# Altium PCB Microcontroller_PCB.PcbDoc
Units mm, origin at the board's own origin, x right, y up, seen from the top; angles counter-clockwise.
Board outline 136.02 x 117.91 mm, 2 copper layers (Top Layer, Bottom Layer); 42 components, 118 nets, 301 pads, 4 vias.
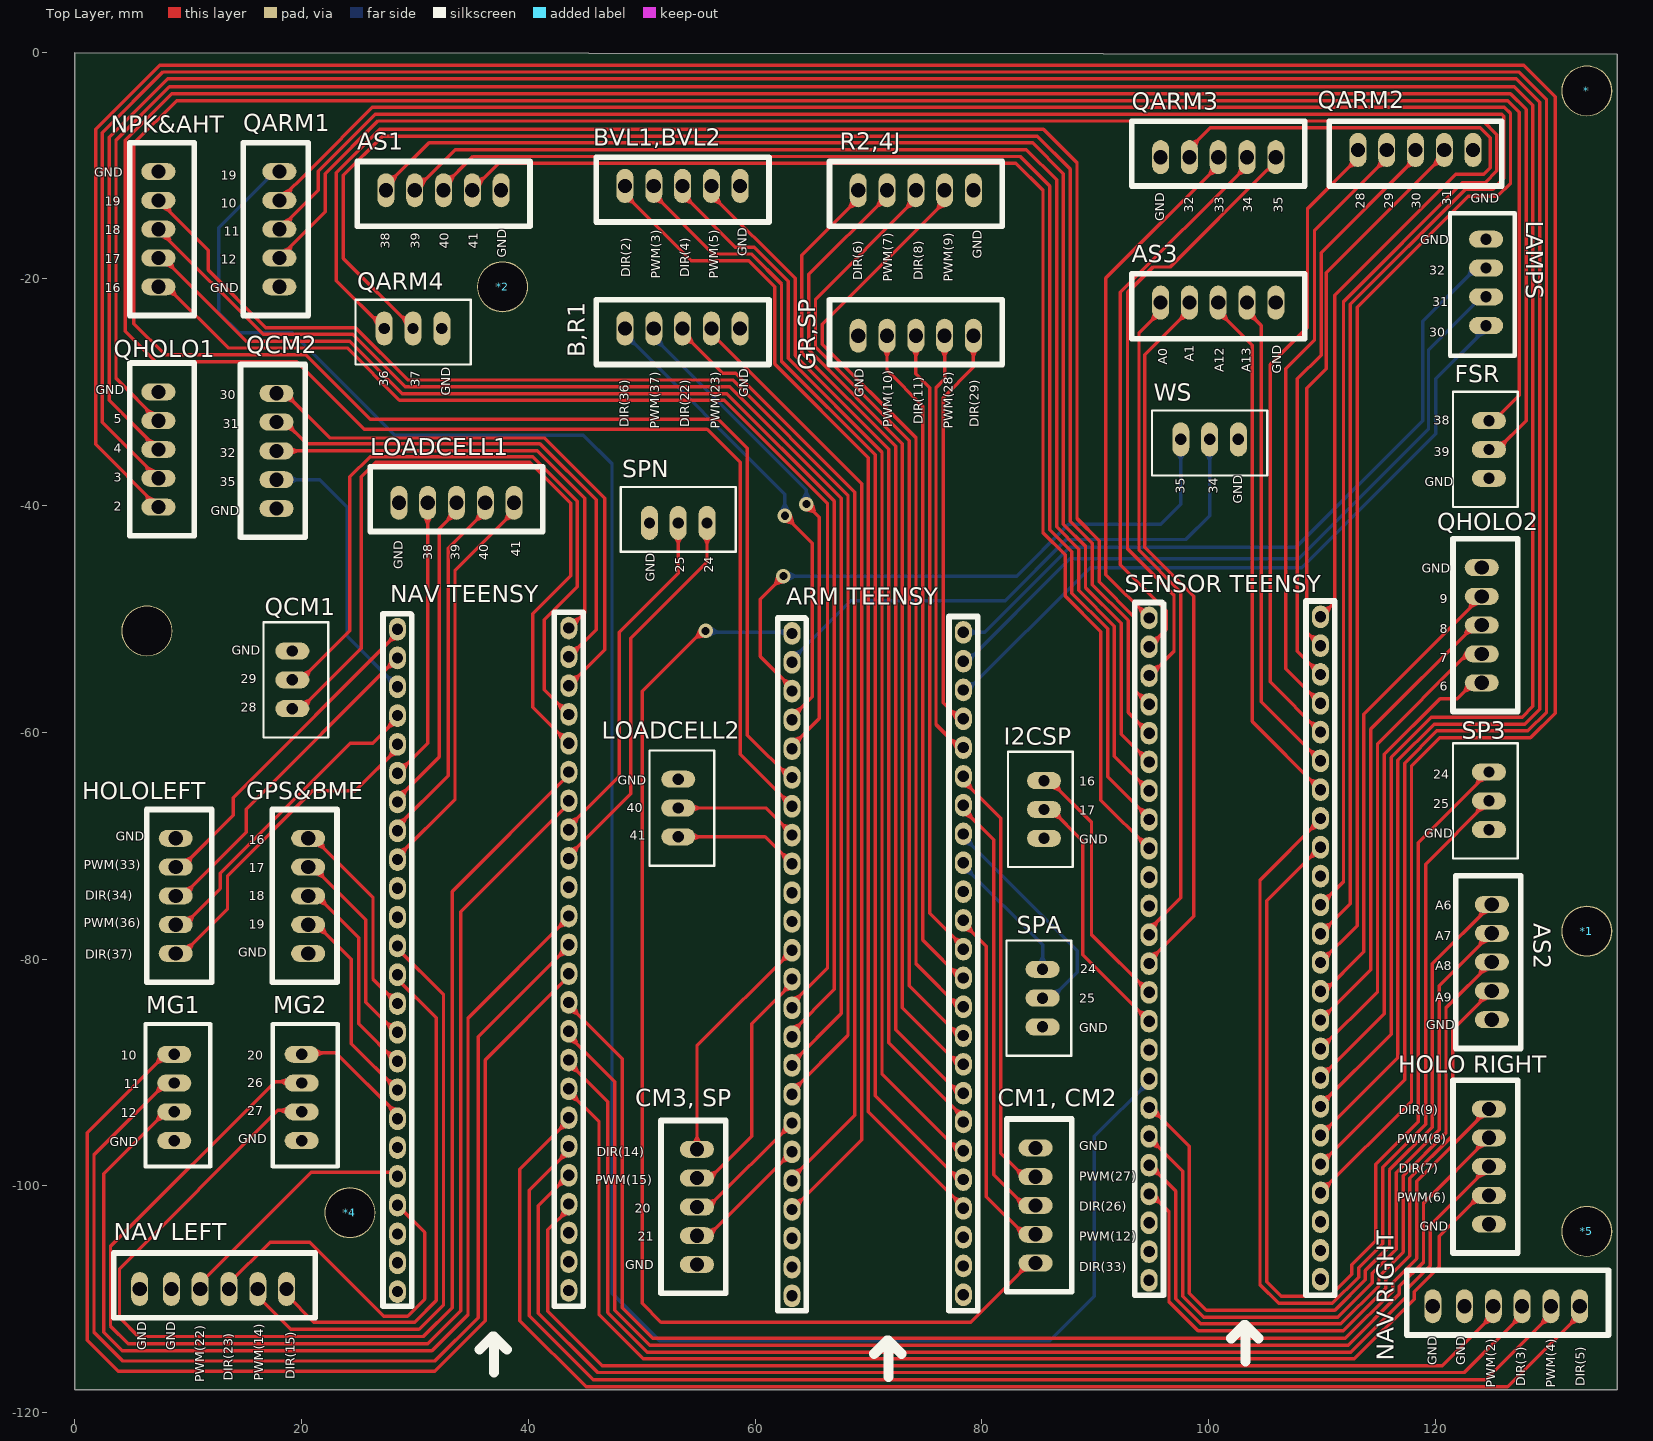
[diagram p0: Top Layer view]
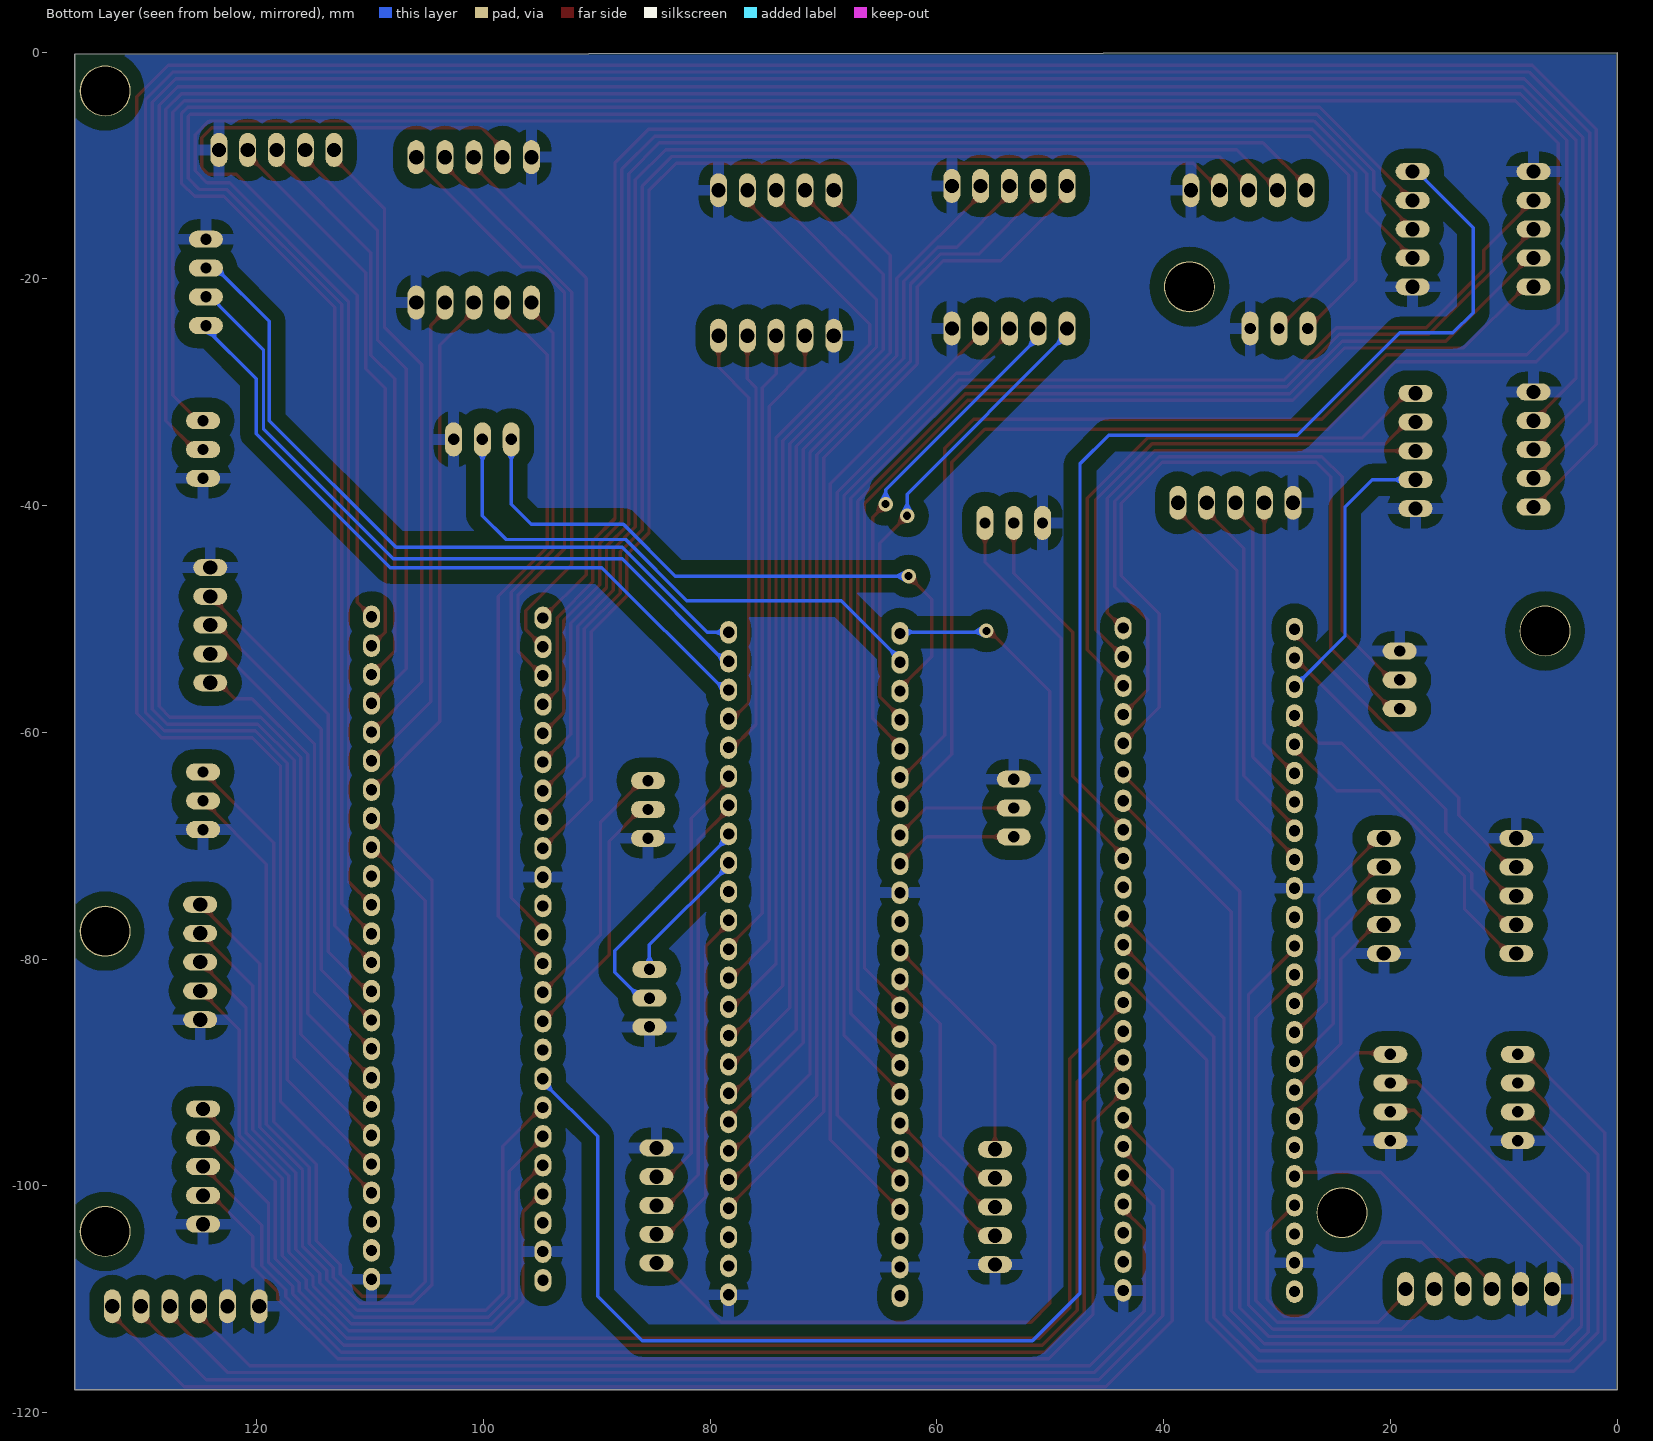
[diagram p1: Bottom Layer view, seen from below]

## Layer stack, top to bottom
Top Solder: solder mask 0.0102, Solder Resist, Dk 3.5
Top Layer: signal copper 0.0356
Dielectric 1: dielectric 0.32, FR-4, Dk 4.8
Bottom Layer: signal copper 0.0356
Bottom Solder: solder mask 0.0102, Solder Resist, Dk 3.5

## Board outline
0,-0.075 0,-117.983 136.017,-117.983 136.017,-0.183

## Design rules (kind name [scope] priority, off if disabled: settings)
Clearance [All vs InNet('GND')] p1: gap=1.25 ignorepadtopadclearanceinfootprint=FALSE
HoleSize [All] p1: absolutevalues=TRUE maxlimit=10 minlimit=0.025 maxpercent=80.000 minpercent=20.000
PolygonConnect [InNet('GND')] p1: connectstyle=Relief reliefconductorwidth=1 reliefentries=4 polygonreliefangle="90 Angle" airgapwidth=1
RoutingVias [All] p1: holewidth=0.711 width=1.27 viastyle="Through Hole" minholewidth=0.711 minwidth=1.27 maxholewidth=0.711 maxwidth=1.27
SolderMaskExpansion [All] p1: expansion=0.102 istentingtop=FALSE
Width [All] p1: maxlimit=3 minlimit=0.3 preferedwidth=0.3
29 further rules are at their usual default settings.

## Components (designator, comment, footprint, x,y, rotation, side; value= is the part's Value field where it differs from the comment)
* "HOLE" HOLE#1 133.477,-3.302 r0 top
*1 "HOLE" HOLE#1 133.477,-77.41 r0 top
*2 "HOLE" HOLE#1 37.846,-20.574 r0 top
*4 "HOLE" HOLE#2 24.429,-104.137 r0 top
*5 "HOLE" HOLE#3 133.35,-103.886 r0 top
"ARM TEENSY" "1x23H" TEENSY 76.2,-59.69 r270 top (schematic designator TA)
AS1 "JST5P" JST5P 33.401,-12.319 r0 top
AS2 "JST5P" JST5P 124.841,-81.153 r270 top
AS3 "JST5P" JST5P 101.727,-22.225 r0 top
B,R1 "JST5P" JST5P 54.483,-24.511 r0 top (schematic designator "B, R1")
BVL1,BVL2 "JST5P" JST5P 54.483,-11.938 r0 top (schematic designator "BVL1, BVL2")
"CM1, CM2" "JST5P(SP)" JST5P 84.859,-100.838 r90 top
"CM3, SP" "JST5P(SP)" JST5P 54.737,-102.743 r270 top
FSR "JST3P" JST3P 124.46,-34.925 r0 top
GPS&BME "JST5P" JST5P 20.447,-75.311 r270 top (schematic designator DS&BME)
GR,SP "JST5P" JST5P 73.279,-24.892 r180 top (schematic designator "GR, SP")
"HOLO RIGHT" "JST5P" JST5P 124.587,-99.187 r270 top (schematic designator "HOLO LEFT")
HOLOLEFT "JST5P" JST5P 9.017,-73.533 r90 top (schematic designator "HOLO RIGHT")
I2CSP "JST3P" JST3P 85.217,-66.675 r0 top
LAMPS "JST4P" JST4P 124.46,-20.447 r180 top
LOADCELL1 "JST5P" JST5P 32.766,-39.624 r180 top
LOADCELL2 "JST3P" JST3P 53.467,-66.802 r180 top
MG1 "JST4P" JST4P 8.763,-92.075 r0 top
MG2 "JST4P" JST4P 19.998,-92.075 r0 top
"NAV LEFT" "JST6P" JST6P 12.7,-108.966 r180 top
"NAV RIGHT" "JST6P" JST6P 126.746,-110.49 r180 top
"NAV TEENSY" "1x23H" TEENSY 41.402,-59.309 r270 top (schematic designator TN)
NPK&AHT "JST5P" JST5P 7.493,-14.732 r90 top (schematic designator DS&AHT)
QARM1 "JST5P" JST5P 17.907,-16.51 r270 top
QARM2 "JST5P" JST5P 119.126,-8.763 r0 top
QARM3 "JST5P" JST5P 99.949,-9.144 r180 top
QARM4 "JST3P" JST3P 29.695,-24.638 r90 top
QCM1 "JST3P" JST3P 19.431,-55.499 r180 top
QCM2 "JST5P" JST5P 17.653,-36.068 r270 top
QHOLO1 "JST5P" JST5P 7.493,-34.163 r90 top
QHOLO2 "JST5P" JST5P 124.206,-49.657 r90 top
R2,4J "JST5P" JST5P 75.057,-12.319 r0 top (schematic designator "R2, 4J")
"SENSOR TEENSY" "1x23H" TEENSY 107.692,-58.323 r270 top (schematic designator TA1)
SP3 "JST3P" JST3P 124.46,-65.913 r0 top
SPA "JST3P" JST3P 85.09,-83.312 r0 top
SPN "JST3P" JST3P 53.34,-41.275 r270 top
WS "JST3P" JST3P 99.949,-34.417 r90 top

## Footprints (in the part's own frame and the unit in brackets; to place one, negate y for a bottom-side part, rotate by r counter-clockwise, add the part's x,y. Pads: shape width x height; smd on the part's side, far side on the other; paste and mask are expansions set on the pad)
HOLE#1 [mm]
  round 4.5 hole 4.3 unplated: 1(-0.127,-0.127)
HOLE#2 [mm]
  round 4.5 hole 4.3 unplated: 1(-0.172,1.775)
HOLE#3 [mm]
  round 4.5 hole 4.3 unplated: 1(0,-0.127)
JST3P [mm]
  oval 3x1.5 hole 1: 1(0.254,2.413) 2(0.254,-0.127) 3(0.254,-2.667)
  silkscreen extent -2.92,-5.21 2.79,4.95, body extent -2.9,-5.15 2.8,4.93, height 7
JST4P [mm]
  oval 3x1.5 hole 1: 1(0,3.683) 2(0,1.143) 3(0,-1.397) 4(0,-3.937)
  silkscreen extent -2.54,-6.22 3.18,6.35, body extent -2.55,-6.46 3.15,6.16, height 7
JST5P [mm]
  oval 1.5x3 hole 1.25: 1(-5.969,0.127) 2(-3.429,0.127) 3(-0.889,0.127) 4(1.651,0.127) 5(4.191,0.127)
  silkscreen extent -8.51,-3.05 6.73,2.67, body extent -8.49,-3.02 6.67,2.68, height 7
JST6P [mm]
  oval 1.5x3 hole 1.25: 1(-5.969,0.127) 2(-3.429,0.127) 3(-0.889,0.127) 4(1.651,0.127) 5(4.191,0.127) 6(6.985,0.127)
  silkscreen extent -8.51,-3.05 9.27,2.67, body extent -8.49,-3.02 9.21,2.68, height 7
TEENSY [mm]
  oval 2x1.5 hole 1: 0(47.371,2.159) 1(44.831,2.159) 2(42.291,2.159) 3(39.751,2.159) 3.3V(14.351,2.159) 3.3V(44.928,-12.95) 4(37.211,2.159) 5(34.671,2.159) 6(32.131,2.159) 7(29.591,2.159) 8(27.051,2.159) 9(24.511,2.159) 10(21.971,2.159) 11(19.431,2.159) 12(16.891,2.159) 13(16.988,-12.95) 14(19.528,-12.95) 15(22.068,-12.95) 16(24.608,-12.95) 17(27.148,-12.95) 18(29.688,-12.95) 19(32.228,-12.95) 20(34.768,-12.95) 21(37.308,-12.95) 22(39.848,-12.95) 23(42.388,-12.95) 24(11.811,2.159) 25(9.271,2.159) 26(6.731,2.159) 27(4.191,2.159) 28(1.651,2.159) 29(-0.889,2.159) 30(-3.429,2.159) 31(-5.969,2.159) 32(-8.509,2.159) 33(-8.412,-12.95) 34(-5.872,-12.95) 35(-3.332,-12.95) 36(-0.792,-12.95) 37(1.748,-12.95) 38(4.288,-12.95) 39(6.828,-12.95) 40(9.368,-12.95) 41(11.908,-12.95) GND(14.448,-12.95) GND(47.468,-12.95) GND(49.911,2.159) Vin(50.008,-12.954)
  silkscreen extent -9.91,-14.22 57.15,3.43, body extent -10.16,-14.22 51.73,3.56, height 13.47

## Part data
"CM1, CM2" "CM3, SP": library part JST5P

## Free pads (board coordinates)
  round 4.5 hole 4.3: 1(6.35,-51.054)

## Via types
v1: diameter 1.27, hole 0.711, Top Layer to Bottom Layer, 4 vias

## Nets (pads, with @x,y where several pads share a name; then routed paths per layer and width w, separated by ;. In a path a pad name is that pad's centre, name@x,y a point inside that pad or via, vN(x,y) a via of type N, cw(c..) or ccw(c..) an arc to the next point about the centre after c; other vN are vias at no path point)
2: "SENSOR TEENSY.2" QHOLO1.1 | length 277.7
  Top Layer w0.3: QHOLO1.1 1.826,-34.592 1.826,-6.81 7.48,-1.156 127.775,-1.156 130.556,-3.937 130.556,-58.299 128.381,-60.474 120.374,-60.474 117.887,-62.961 117.887,-92.526 109.926,-100.487 109.851,-100.487
3: "SENSOR TEENSY.3" QHOLO1.2 | length 270
  Top Layer w0.3: QHOLO1.2 2.426,-32.652 2.426,-7.099 7.769,-1.756 127.359,-1.756 129.794,-4.191 129.794,-58.212 128.132,-59.874 120.125,-59.874 117.287,-62.712 117.287,-90.639 109.851,-98.074
4: "SENSOR TEENSY.4" QHOLO1.3 | length 262.3
  Top Layer w0.3: QHOLO1.3 3.026,-30.712 3.026,-7.515 8.185,-2.356 127.11,-2.356 129.194,-4.44 129.194,-57.964 127.884,-59.274 119.877,-59.274 116.687,-62.464 116.687,-88.699 109.851,-95.534
5: "SENSOR TEENSY.5" QHOLO1.4 | length 254.5
  Top Layer w0.3: QHOLO1.4 3.626,-28.772 3.626,-7.764 8.342,-3.048 126.954,-3.048 128.594,-4.688 128.594,-57.715 127.635,-58.674 119.628,-58.674 116.087,-62.215 116.087,-86.632 109.851,-92.867
6: "SENSOR TEENSY.6" QHOLO2.1 | length 42.1
  Top Layer w0.3: 109.851,-90.454 115.487,-84.819 115.487,-61.932 120.396,-57.023 121.932,-57.023 123.329,-55.626 QHOLO2.1
7: "SENSOR TEENSY.7" QHOLO2.2 | length 41.5
  Top Layer w0.3: 109.851,-87.914 114.887,-82.879 114.887,-61.008 122.809,-53.086 QHOLO2.2
8: "SENSOR TEENSY.8" QHOLO2.3 | length 41.1
  Top Layer w0.3: 109.851,-85.374 114.287,-80.939 114.287,-59.703 123.444,-50.546 QHOLO2.3
9: "SENSOR TEENSY.9" QHOLO2.4 | length 41.1
  Top Layer w0.3: 109.851,-83.215 110.042,-83.025 110.042,-82.989 113.687,-79.344 113.687,-58.398 QHOLO2.4
10: "SENSOR TEENSY.10" QARM1.2 | length 195.5
  Top Layer w0.3: QARM1.2 20.828,-10.287 26.232,-4.883 126.081,-4.883 126.619,-5.421 126.619,-11.557 125.454,-12.722 122.874,-12.722 113.087,-22.509 113.087,-77.058 109.851,-80.294
11: "SENSOR TEENSY.11" QARM1.3 | length 193.4
  Top Layer w0.3: QARM1.3 21.463,-12.192 21.463,-10.501 26.481,-5.483 125.832,-5.483 126.019,-5.67 126.019,-11.133 125.03,-12.122 122.625,-12.122 112.487,-22.26 112.487,-75.118 109.851,-77.754
12: "SENSOR TEENSY.12" QARM1.4 | length 190.4
  Top Layer w0.3: QARM1.4 22.098,-14.097 22.098,-10.714 26.729,-6.083 124.193,-6.083 125.419,-7.309 125.419,-10.471 124.368,-11.522 122.376,-11.522 111.887,-22.011 111.887,-73.178 109.851,-75.214
"16, A2": "SENSOR TEENSY.16" I2CSP.1 | length 22.8
  Top Layer w0.3: I2CSP.1 85.979,-64.262 89.662,-67.945 89.662,-77.851 94.742,-82.931
"17, A3": "SENSOR TEENSY.17" I2CSP.2 | length 22.9
  Top Layer w0.3: I2CSP.2 86.106,-66.802 88.9,-69.596 88.9,-79.629 94.742,-85.471
19: "SENSOR TEENSY.19" QARM1.1 | length 195.3
  Bottom Layer w0.3: QARM1.1 17.609,-10.541 16.925,-11.225 16.925,-11.279 12.7,-15.503 12.7,-22.987 14.478,-24.765 19.177,-24.765 28.194,-33.782 44.831,-33.782 47.371,-36.322 47.371,-109.474 51.562,-113.665 85.979,-113.665 89.916,-109.728 89.916,-95.627 94.742,-90.801 94.742,-90.551
28: "SENSOR TEENSY.28" QARM2.1 | length 56.4
  Top Layer w0.3: 109.851,-59.974 105.41,-55.533 105.41,-27.559 108.712,-24.257 108.712,-13.831 113.157,-9.386 QARM2.1
29: "SENSOR TEENSY.29" QARM2.2 | length 53.7
  Top Layer w0.3: 109.851,-57.434 106.807,-54.39 106.807,-27.94 109.325,-25.422 109.325,-15.758 115.697,-9.386 QARM2.2
30: "SENSOR TEENSY.30" QARM2.3 | length 51.4
  Top Layer w0.3: 109.851,-54.894 107.823,-52.866 107.823,-28.829 109.925,-26.727 109.925,-17.698 118.237,-9.386 QARM2.3
31: "SENSOR TEENSY.31" QARM2.4 | length 49.2
  Top Layer w0.3: 109.851,-52.354 108.651,-51.154 108.651,-29.652 110.363,-27.94 110.363,-19.471 119.858,-9.976 119.862,-9.976 120.777,-9.061 QARM2.4
32: "SENSOR TEENSY.32" QARM3.4 | length 78.3
  Top Layer w0.3: QARM3.4 98.298,-8.521 100.136,-6.683 123.944,-6.683 124.819,-7.558 124.819,-10.222 124.246,-10.795 121.793,-10.795 111.125,-21.463 111.125,-48.54 109.851,-49.814
33: "SENSOR TEENSY.33" QARM3.3 | length 46.3
  Top Layer w0.3: 94.742,-49.911 90.932,-46.101 90.932,-19.927 100.838,-10.021 QARM3.3
34: "SENSOR TEENSY.34" QARM3.2 | length 50.1
  Top Layer w0.3: 94.742,-52.451 96.266,-50.927 96.266,-49.276 92.202,-45.212 92.202,-21.197 103.378,-10.021 QARM3.2
35: "SENSOR TEENSY.35" QARM3.1 | length 54.7
  Top Layer w0.3: 94.742,-54.991 94.779,-54.991 96.936,-52.834 96.936,-47.914 92.837,-43.815 92.837,-21.209 95.086,-18.96 96.599,-18.96 105.179,-10.379 105.235,-10.379 105.918,-9.696 QARM3.1
36: "SENSOR TEENSY.36" QARM4.1 | length 134
  Top Layer w0.3: QARM4.1 23.068,-20.17 23.068,-10.627 26.881,-6.814 85.427,-6.814 88.383,-9.77 88.383,-41.14 90.332,-43.089 90.332,-46.731 93.484,-49.883 93.484,-56.273 94.742,-57.531
37: "SENSOR TEENSY.37" QARM4.2 | length 135.5
  Top Layer w0.3: QARM4.2@29.834,-24.372 23.668,-18.207 23.668,-10.876 27.13,-7.414 84.884,-7.414 87.783,-10.313 87.783,-41.388 89.732,-43.337 89.732,-46.979 92.884,-50.131 92.884,-58.251 94.705,-60.071 94.742,-60.071
A0: "SENSOR TEENSY.14" AS3.1 | length 59.1
  Top Layer w0.3: 94.742,-77.724 94.742,-77.389 97.536,-74.595 97.536,-47.625 93.853,-43.942 93.853,-24.753 95.758,-22.848 AS3.1
A1: "SENSOR TEENSY.15" AS3.2 | length 63.3
  Top Layer w0.3: 94.742,-80.391 94.742,-80.141 98.679,-76.204 98.679,-48.006 94.361,-43.688 94.361,-26.709 98.298,-22.772 AS3.2
A6: "SENSOR TEENSY.20" AS2.1 | length 73
  Top Layer w0.3: 94.742,-92.964 98.298,-96.52 98.298,-109.474 99.8,-110.976 111.135,-110.976 113.82,-108.291 113.82,-107.46 115.942,-105.338 115.942,-98.596 119.726,-94.812 119.726,-80.426 AS2.1
A6(20): 
A7: "SENSOR TEENSY.21" AS2.2 | length 69.2
  Top Layer w0.3: 94.742,-95.631 94.742,-95.758 97.698,-98.714 97.698,-109.723 99.551,-111.576 111.383,-111.576 114.42,-108.539 114.42,-107.709 116.542,-105.587 116.542,-98.844 120.326,-95.06 120.326,-82.366 AS2.2
A7(21): 
A8: "SENSOR TEENSY.22" AS2.3 | length 65.7
  Top Layer w0.3: 94.742,-98.171 94.817,-98.171 97.098,-100.452 97.098,-109.971 99.303,-112.176 111.632,-112.176 115.02,-108.788 115.02,-107.957 117.142,-105.835 117.142,-99.093 120.926,-95.309 120.926,-84.306 AS2.3
A9: "SENSOR TEENSY.23" AS2.4 | length 62.2
  Top Layer w0.3: 94.742,-100.584 94.817,-100.584 96.498,-102.265 96.498,-110.22 99.054,-112.776 111.88,-112.776 115.62,-109.036 115.62,-108.281 117.742,-106.159 117.742,-99.341 121.526,-95.557 121.526,-86.246 AS2.4
A10,24: "SENSOR TEENSY.24" SP3.1 | length 98.4
  Top Layer w0.3: 109.851,-70.134 105.121,-74.864 105.121,-108.463 106.386,-109.728 110.686,-109.728 112.62,-107.794 112.62,-106.963 114.742,-104.841 114.742,-98.099 118.491,-94.35 118.491,-69.723 SP3.1
A11,25: "SENSOR TEENSY.25" SP3.2 | length 100.6
  Top Layer w0.3: 109.851,-67.467 109.851,-67.717 104.521,-73.047 104.521,-108.712 106.172,-110.363 110.899,-110.363 113.22,-108.042 113.22,-107.212 115.342,-105.09 115.342,-98.347 119.126,-94.563 119.126,-71.628 SP3.2
A12: "SENSOR TEENSY.26" AS3.3 | length 46.8
  Top Layer w0.3: AS3.3 100.838,-23.114 101.104,-23.114 103.84,-25.85 103.84,-59.043 109.851,-65.054
A13: "SENSOR TEENSY.27" AS3.4 | length 43.2
  Top Layer w0.3: AS3.4 103.378,-22.987 103.517,-22.987 104.648,-24.118 104.648,-57.311 109.851,-62.514
A14: "SENSOR TEENSY.38" AS1.1 | length 117.8
  Top Layer w0.3: AS1.1 27.432,-11.811 31.229,-8.014 84.468,-8.014 87.183,-10.729 87.183,-41.637 89.132,-43.586 89.132,-47.228 92.284,-50.38 92.284,-60.153 94.742,-62.611
A15: "SENSOR TEENSY.39" AS1.2 | length 116.5
  Top Layer w0.3: AS1.2 33.55,-8.614 83.925,-8.614 86.583,-11.272 86.583,-41.885 88.532,-43.834 88.532,-47.476 91.684,-50.628 91.684,-62.093 94.742,-65.151
A16: "SENSOR TEENSY.40" AS1.3 | length 115.4
  Top Layer w0.3: AS1.3 32.512,-11.811 35.109,-9.214 83.382,-9.214 85.983,-11.815 85.983,-42.134 87.932,-44.083 87.932,-47.725 91.084,-50.877 91.084,-63.906 94.742,-67.564
A17: "SENSOR TEENSY.41" AS1.4 | length 114.2
  Top Layer w0.3: AS1.4 35.052,-12.144 37.382,-9.814 82.992,-9.814 85.383,-12.205 85.383,-42.382 87.332,-44.331 87.332,-47.973 90.484,-51.125 90.484,-65.973 94.742,-70.231
AA6: "ARM TEENSY.20" "CM3, SP.3" | length 11.4
  Top Layer w0.3: 54.864,-101.854 55.854,-101.854 63.25,-94.458
AA7: "ARM TEENSY.21" "CM3, SP.4" | length 11.5
  Top Layer w0.3: 54.864,-104.394 55.859,-104.394 63.25,-97.003 63.25,-96.998
AA38: "ARM TEENSY.38" FSR.1 | length 258.1
  Top Layer w0.3: 63.25,-64.181 59.309,-60.24 59.309,-34.955 56.739,-32.385 26.034,-32.385 20.347,-26.698 7.953,-26.698 5.207,-23.952 5.207,-8.055 8.979,-4.283 126.365,-4.283 127.381,-5.299 127.381,-30.27 125.85,-31.801 125.139,-32.512 FSR.1
AA39: "ARM TEENSY.39" FSR.2 | length 265.7
  Top Layer w0.3: 63.25,-66.518 58.674,-61.942 58.674,-36.195 55.753,-33.274 25.527,-33.274 19.558,-27.305 7.112,-27.305 4.445,-24.638 4.445,-7.793 8.555,-3.683 126.613,-3.683 127.994,-5.064 127.994,-32.522 125.464,-35.052 FSR.2
AA40: "ARM TEENSY.40" LOADCELL2.2 | length 11
  Top Layer w0.3: LOADCELL2.2 60.96,-66.675 63.216,-68.931 63.25,-68.931
AA41: "ARM TEENSY.41" LOADCELL2.1 | length 11
  Top Layer w0.3: LOADCELL2.1 60.867,-69.215 63.25,-71.598
AN38: "NAV TEENSY.38" LOADCELL1.4 | length 25
  Top Layer w0.3: 28.452,-63.597 28.478,-63.597 31.115,-60.96 LOADCELL1.4
AN39: "NAV TEENSY.39" LOADCELL1.3 | length 28.5
  Top Layer w0.3: 28.452,-66.137 28.452,-65.852 32.131,-62.173 32.131,-42.025 33.655,-40.501 LOADCELL1.3
AN40: "NAV TEENSY.40" LOADCELL1.2 | length 32.1
  Top Layer w0.3: 28.452,-68.677 28.452,-68.3 32.928,-63.824 32.928,-43.768 36.195,-40.501 LOADCELL1.2
AN41: "NAV TEENSY.41" LOADCELL1.1 | length 35.7
  Top Layer w0.3: 28.452,-71.217 28.452,-70.967 33.528,-65.891 33.528,-45.708 38.735,-40.501 LOADCELL1.1
DA(2): "ARM TEENSY.2" BVL1,BVL2.1 | length 105.5
  Top Layer w0.3: 48.514,-11.811 48.514,-12.561 54.368,-18.415 59.43,-18.415 61.722,-20.707 61.722,-27.513 69.981,-35.772 69.981,-93.472 78.359,-101.85 78.359,-101.981
DA(4): "ARM TEENSY.4" BVL1,BVL2.3 | length 96.7
  Top Layer w0.3: 53.594,-11.811 53.594,-12.561 58.248,-17.215 59.927,-17.215 62.922,-20.21 62.922,-27.016 71.181,-35.275 71.181,-90.104 78.359,-97.282
DA(6): "ARM TEENSY.6" R2,4J.1 | length 88
  Top Layer w0.3: 69.088,-12.192 69.088,-12.954 64.122,-17.92 64.122,-26.519 72.381,-34.778 72.381,-86.224 78.359,-92.202
DA(8): "ARM TEENSY.8" R2,4J.3 | length 84
  Top Layer w0.3: 74.168,-12.192 74.168,-12.954 65.322,-21.8 65.322,-26.022 73.581,-34.281 73.581,-82.344 78.359,-87.122
DA(11): "ARM TEENSY.11" GR,SP.3 | length 56
  Top Layer w0.3: 74.168,-25.019 74.168,-25.417 74.168,-28.378 75.381,-29.591 75.381,-75.946 78.359,-78.924 78.359,-79.121 ; 78.359,-79.375 78.359,-79.226
DA(22): "ARM TEENSY.22" B,R1.3 | length 84.3
  Top Layer w0.3: 53.404,-24.575 57.15,-28.321 58.293,-28.321 68.781,-38.809 68.781,-93.756 63.25,-99.288 63.25,-99.538
DA(29): "ARM TEENSY.29" GR,SP.1 | length 36
  Top Layer w0.3: 78.359,-59.182 76.581,-57.404 76.581,-30.48 79.248,-27.813 79.248,-25.019
DA(36): "ARM TEENSY.36" B,R1.1 | length 41.8
  Top Layer w0.3: v1(62.611,-40.894) 65.024,-43.307 65.024,-56.868 63.163,-58.729
  Bottom Layer w0.3: 48.26,-24.638 62.611,-38.989 v1(62.611,-40.894)
DCM(14): "ARM TEENSY.14" "CM3, SP.1" | length 21
  Top Layer w0.3: 54.864,-96.774 54.864,-87.63 63.25,-79.244 63.25,-79.218
DCM(26): "ARM TEENSY.26" "CM1, CM2.3" | length 37.1
  Top Layer w0.3: 78.359,-66.802 81.026,-69.469 81.026,-99.037 83.716,-101.727
DCM(27): "ARM TEENSY.27" "CM1, CM2.4" | length 37.1
  Top Layer w0.3: 78.359,-64.262 81.661,-67.564 81.661,-97.132 83.716,-99.187
DH(7): "HOLO RIGHT.3" "NAV TEENSY.7" | length 112.1
  Top Layer w0.3: 43.561,-88.9 43.561,-89.15 46.99,-92.579 46.99,-111.171 50.478,-114.659 112.543,-114.659 117.42,-109.782 117.42,-109.148 119.542,-107.026 119.542,-103.47 124.714,-98.298
DH(9): "HOLO RIGHT.1" "NAV TEENSY.9" | length 119.3
  Top Layer w0.3: 43.561,-83.82 43.561,-84.07 48.26,-88.769 48.26,-110.744 50.962,-113.446 112.059,-113.446 116.22,-109.285 116.22,-108.53 118.342,-106.408 118.342,-99.59 124.714,-93.218
DH(34): "NAV TEENSY.34" HOLOLEFT.3 | length 29.4
  Top Layer w0.3: HOLOLEFT.3@8.89,-74.295 9.64,-74.295 15.113,-68.822 15.113,-66.776 28.452,-53.437
DH(37): "NAV TEENSY.37" HOLOLEFT.1 | length 28.7
  Top Layer w0.3: HOLOLEFT.1@8.89,-79.375 9.64,-79.375 13.462,-75.553 13.462,-72.644 20.955,-65.151 24.739,-65.151 28.452,-61.438
DN(3): "NAV RIGHT.3" "NAV TEENSY.3" | length 105.1
  Top Layer w0.3: 43.561,-99.06 40.866,-101.755 40.866,-111.224 46.101,-116.459 122.543,-116.459 127.635,-111.367 127.635,-110.617
DN(5): "NAV RIGHT.1" "NAV TEENSY.5" | length 119
  Top Layer w0.3: 43.561,-93.98 43.561,-94.23 39.243,-98.548 39.243,-111.887 45.085,-117.729 126.353,-117.729 132.715,-111.367 132.715,-110.617
DN(15): "NAV LEFT.1" "NAV TEENSY.15" | length 45.3
  Top Layer w0.3: 18.669,-109.093 18.669,-109.601 21.082,-112.014 29.972,-112.014 31.877,-110.109 31.877,-85.183 28.452,-81.758
DN(23): "NAV LEFT.3" "NAV TEENSY.23" | length 31.9
  Top Layer w0.3: 13.589,-109.093 13.589,-108.594 17.211,-104.972 20.708,-104.972 27.241,-111.506 29.337,-111.506 30.864,-109.979 30.864,-104.109 28.452,-101.697
GND: "ARM TEENSY.GND" "CM1, CM2.5" "CM3, SP.5" "HOLO RIGHT.5" "NAV LEFT.5" "NAV LEFT.6" "NAV RIGHT.5" "NAV RIGHT.6" "NAV TEENSY.GND" "SENSOR TEENSY.GND" AS1.5 AS2.5 AS3.5 B,R1.5 BVL1,BVL2.5 FSR.3 GPS&BME.5 GR,SP.5 HOLOLEFT.5 I2CSP.3 LAMPS.4 LOADCELL1.5 LOADCELL2.3 MG1.4 MG2.4 NPK&AHT.5 QARM1.5 QARM2.5 QARM3.5 QARM4.3 QCM1.3 QCM2.5 QHOLO1.5 QHOLO2.5 R2,4J.5 SP3.3 SPA.3 SPN.3 WS.3
L1: "ARM TEENSY.30" LAMPS.1 | length 62.5
  Bottom Layer w0.3: 78.359,-56.642 89.535,-45.466 108.204,-45.466 120.015,-33.655 120.015,-28.829 124.46,-24.384 LAMPS.1
L2: "ARM TEENSY.31" LAMPS.2 | length 63.7
  Bottom Layer w0.3: 78.359,-54.102 87.757,-44.704 107.95,-44.704 119.38,-33.274 119.38,-26.289 123.346,-22.323 123.346,-22.279 124.035,-21.59 LAMPS.2
L3: "ARM TEENSY.32" LAMPS.3 | length 64.5
  Bottom Layer w0.3: 78.359,-51.181 80.264,-51.181 87.757,-43.688 107.696,-43.688 118.872,-32.512 118.872,-23.749 123.571,-19.05 LAMPS.3
PA(3): "ARM TEENSY.3" BVL1,BVL2.2 | length 101.3
  Top Layer w0.3: 51.054,-11.811 51.054,-12.561 56.308,-17.815 59.679,-17.815 62.322,-20.458 62.322,-27.264 70.581,-35.523 70.581,-92.044 78.359,-99.822
PA(5): "ARM TEENSY.5" BVL1,BVL2.4 | length 91.8
  Top Layer w0.3: 56.134,-11.811 56.134,-12.573 63.522,-19.961 63.522,-26.767 71.781,-35.026 71.781,-87.376 78.359,-93.954 78.359,-94.361
PA(7): "ARM TEENSY.7" R2,4J.2 | length 86
  Top Layer w0.3: 71.628,-12.192 71.628,-12.7 64.722,-19.606 64.722,-26.27 72.981,-34.529 72.981,-84.284 78.359,-89.662
PA(9): "ARM TEENSY.9" R2,4J.4 | length 82
  Top Layer w0.3: 76.708,-12.192 76.708,-13.208 65.922,-23.994 65.922,-25.773 74.181,-34.032 74.181,-80.404 78.359,-84.582
PA(10): "ARM TEENSY.10" GR,SP.4 | length 59.7
  Top Layer w0.3: 71.628,-25.019 71.628,-28.067 74.781,-31.22 74.781,-78.315 78.359,-81.893
PA(23): "ARM TEENSY.23" B,R1.4 | length 85.7
  Top Layer w0.3: 56.134,-24.384 56.134,-24.809 56.845,-25.52 69.381,-38.056 69.381,-95.947 63.25,-102.078
PA(28): "ARM TEENSY.28" GR,SP.2 | length 38
  Top Layer w0.3: 76.708,-25.019 76.708,-28.829 75.946,-29.591 75.946,-59.309 78.359,-61.722
PA(37): "ARM TEENSY.37" B,R1.2 | length 44.1
  Top Layer w0.3: 63.25,-61.438 63.25,-61.188 65.659,-58.779 65.659,-41.021 v1(64.516,-39.878)
  Bottom Layer w0.3: 51.054,-24.384 51.054,-25.146 64.516,-38.608 v1(64.516,-39.878)
PCM(12): "ARM TEENSY.12" "CM1, CM2.2" | length 29.9
  Top Layer w0.3: 78.359,-76.581 78.359,-76.831 80.391,-78.863 80.391,-100.942 83.716,-104.267
PCM(15): "ARM TEENSY.15" "CM3, SP.2" | length 21.7
  Top Layer w0.3: 54.864,-99.314 56.007,-99.314 59.69,-95.631 59.69,-85.699 63.25,-82.139 63.25,-81.758
PCM(33): "ARM TEENSY.33" "CM1, CM2.1" | length 107.8
  Top Layer w0.3: v1(55.626,-51.054) 55.499,-51.181 55.245,-51.181 50.038,-56.388 50.038,-110.363 51.689,-112.014 78.994,-112.014 84.201,-106.807 84.732,-106.807
  Bottom Layer w0.3: v1(55.626,-51.054) 55.738,-51.166 63.138,-51.166 63.25,-51.278 ; 83.982,-106.807 84.732,-106.807
PH(6): "HOLO RIGHT.4" "NAV TEENSY.6" | length 109
  Top Layer w0.3: 43.561,-91.44 43.561,-91.69 46.228,-94.357 46.228,-111.379 50.108,-115.259 112.833,-115.259 118.11,-109.982 118.11,-109.347 120.332,-107.125 120.332,-104.458 123.952,-100.838 124.714,-100.838
PH(8): "HOLO RIGHT.2" "NAV TEENSY.8" | length 115.7
  Top Layer w0.3: 43.561,-86.36 43.561,-86.741 47.625,-90.805 47.625,-110.958 50.713,-114.046 112.307,-114.046 116.82,-109.533 116.82,-108.859 118.942,-106.737 118.942,-101.53 124.714,-95.758
PH(33): "NAV TEENSY.33" HOLOLEFT.4 | length 29
  Top Layer w0.3: HOLOLEFT.4 9.403,-71.882 13.97,-67.315 13.97,-65.76 28.452,-51.278
PH(36): "NAV TEENSY.36" HOLOLEFT.2 | length 28.1
  Top Layer w0.3: HOLOLEFT.2@8.89,-76.835 9.767,-76.835 12.827,-73.775 12.827,-72.43 24.297,-60.96 26.259,-60.96 28.452,-58.767 28.452,-58.517
PMG(10): "NAV TEENSY.10" MG1.1 | length 100.6
  Top Layer w0.3: MG1.1 8.013,-88.392 1.086,-95.319 1.086,-113.608 3.81,-116.332 31.75,-116.332 36.195,-111.887 36.195,-88.896 43.561,-81.53 43.561,-81.28
PMG(11): "NAV TEENSY.11" MG1.2 | length 98
  Top Layer w0.3: MG1.2 8.013,-90.932 1.686,-97.259 1.686,-112.898 4.231,-115.443 31.75,-115.443 35.56,-111.633 35.56,-86.864 43.561,-78.863 43.561,-78.74
PMG(12): "NAV TEENSY.12" MG1.3 | length 95.4
  Top Layer w0.3: MG1.3 8.013,-93.472 2.54,-98.945 2.54,-112.903 4.191,-114.554 31.496,-114.554 34.671,-111.379 34.671,-85.213 43.561,-76.323 43.561,-76.2
PMG(20): "NAV TEENSY.20" MG2.1 | length 11
  Top Layer w0.3: MG2.1 20.125,-88.265 23.017,-88.265 28.452,-93.7 28.452,-93.95
PMG(26): "NAV TEENSY.26" MG2.2 | length 110.1
  Top Layer w0.3: MG2.2@18.542,-90.805 17.653,-90.805 3.14,-105.318 3.14,-112.36 4.699,-113.919 31.115,-113.919 34.036,-110.998 34.036,-75.815 43.561,-66.29 43.561,-66.04
PMG(27): "NAV TEENSY.27" MG2.3 | length 107.3
  Top Layer w0.3: MG2.3@18.542,-93.345 17.907,-93.345 3.937,-107.315 3.937,-111.633 5.588,-113.284 30.734,-113.284 33.274,-110.744 33.274,-74.037 43.561,-63.75 43.561,-63.5
PN(2): "NAV RIGHT.4" "NAV TEENSY.2" | length 98.3
  Top Layer w0.3: 43.561,-101.473 43.561,-101.6 43.561,-102.043 41.718,-103.886 41.718,-111.06 46.517,-115.859 120.603,-115.859 125.095,-111.367 125.095,-110.617
PN(4): "NAV RIGHT.2" "NAV TEENSY.4" | length 111.6
  Top Layer w0.3: 43.561,-96.901 40.067,-100.395 40.067,-111.441 45.72,-117.094 124.448,-117.094 130.175,-111.367 130.175,-110.617
PN(14): "NAV LEFT.2" "NAV TEENSY.14" | length 52.5
  Top Layer w0.3: 16.129,-109.093 16.129,-109.728 19.05,-112.649 30.353,-112.649 32.512,-110.49 32.512,-83.151 28.452,-79.091 28.452,-78.837
PN(22): "NAV LEFT.4" "NAV TEENSY.22" | length 22.9
  Top Layer w0.3: 11.049,-110.236 11.049,-109.486 ; 11.049,-109.093 11.049,-108.585 20.828,-98.806 28.101,-98.806 28.452,-99.157
QCM(28): "NAV TEENSY.28" QCM1.1 | length 67.7
  Top Layer w0.3: QCM1.1 19.927,-57.912 25.273,-52.566 25.273,-37.465 26.543,-36.195 40.132,-36.195 43.723,-39.786 43.723,-46.193 40.386,-49.53 40.386,-57.785 43.561,-60.96
QCM(29): "NAV TEENSY.29" QCM1.2 | length 63.8
  Top Layer w0.3: QCM1.2 19.927,-55.372 24.257,-51.042 24.257,-37.465 26.035,-35.687 40.386,-35.687 44.323,-39.624 44.323,-47.147 41.402,-50.068 41.402,-56.261 43.561,-58.42
QCM(30): "NAV TEENSY.30" QCM2.1 | length 50.6
  Top Layer w0.3: QCM2.1 18.53,-30.099 22.467,-34.036 41.402,-34.036 46.736,-39.37 46.736,-52.705 43.561,-55.88
QCM(31): "NAV TEENSY.31" QCM2.2 | length 45.9
  Top Layer w0.3: QCM2.2 18.53,-32.639 20.435,-34.544 41.021,-34.544 45.974,-39.497 45.974,-50.946 43.58,-53.34 43.561,-53.34
QCM(32): "NAV TEENSY.32" QCM2.3 | length 40.9
  Top Layer w0.3: QCM2.3 40.767,-35.179 44.958,-39.37 44.958,-49.44 43.598,-50.8 43.561,-50.8
QCM(35): "NAV TEENSY.35" QCM2.4 | length 24.9
  Bottom Layer w0.3: QCM2.4 18.53,-37.719 21.59,-37.719 24.003,-40.132 24.003,-43.192 24.003,-51.528 28.452,-55.977
SCL_AHT(19): "ARM TEENSY.19" NPK&AHT.4 | length 127.5
  Top Layer w0.3: NPK&AHT.4 11.77,-17.485 11.77,-19.222 16.846,-24.298 24.749,-24.298 29.372,-28.921 58.004,-28.921 68.181,-39.098 68.181,-86.736 63.25,-91.668 63.25,-91.918
SCL_BME(19): "NAV TEENSY.19" GPS&BME.4 | length 18.3
  Top Layer w0.3: GPS&BME.4 21.324,-76.962 24.384,-80.022 24.384,-87.469 28.452,-91.537
SCL_DS1(16): "ARM TEENSY.16" NPK&AHT.1 | length 112.7
  Top Layer w0.3: NPK&AHT.1 8.116,-20.701 13.513,-26.098 24.004,-26.098 28.626,-30.721 57.258,-30.721 66.381,-39.844 66.381,-80.772 63.25,-83.903 63.25,-84.298
SCL_DS2(16): "NAV TEENSY.16" GPS&BME.1 | length 18.1
  Top Layer w0.3: GPS&BME.1 21.074,-69.342 26.289,-74.557 26.289,-81.754 28.452,-83.917
SDA_AHT(18): "ARM TEENSY.18" NPK&AHT.3 | length 121.9
  Top Layer w0.3: NPK&AHT.3 7.366,-15.667 16.597,-24.898 24.501,-24.898 29.123,-29.521 57.755,-29.521 67.581,-39.347 67.581,-84.796 63.25,-89.128 63.25,-89.378
SDA_BME(18): "NAV TEENSY.18" GPS&BME.3 | length 18.4
  Top Layer w0.3: GPS&BME.3 21.324,-74.422 25.019,-78.117 25.019,-85.695 28.452,-89.128
SDA_DS1(17): "ARM TEENSY.17" NPK&AHT.2 | length 117.3
  Top Layer w0.3: NPK&AHT.2 7.757,-18.161 15.095,-25.498 24.252,-25.498 28.875,-30.121 57.507,-30.121 66.981,-39.595 66.981,-82.677 63.25,-86.408 63.25,-86.838
SDA_DS2(17): "NAV TEENSY.17" GPS&BME.2 | length 18.2
  Top Layer w0.3: GPS&BME.2 21.012,-71.882 25.654,-76.524 25.654,-83.79 28.452,-86.588
SPA(24): "ARM TEENSY.24" SPA.1 | length 12.3
  Bottom Layer w0.3: 78.359,-71.501 78.359,-71.751 85.344,-78.736 SPA.1
SPA(25): "ARM TEENSY.25" SPA.2 | length 20.3
  Bottom Layer w0.3: 78.359,-68.961 78.359,-69.211 88.392,-79.244 88.392,-81.153 86.106,-83.439 SPA.2
SPN(24): "NAV TEENSY.24" SPN.1 | length 34.6
  Top Layer w0.3: 43.561,-71.12 43.561,-70.87 49.022,-65.409 49.022,-51.689 55.753,-44.958 SPN.1
SPN(25): "NAV TEENSY.25" SPN.2 | length 31.1
  Top Layer w0.3: 43.561,-68.58 43.561,-68.33 48.006,-63.885 48.006,-51.181 53.213,-45.974 SPN.2
  Bottom Layer w0.3: 43.561,-68.453 43.598,-68.453
WSRX(34): "ARM TEENSY.34" WS.2 | length 48.8
  Bottom Layer w0.3: 63.25,-53.818 63.25,-53.568 68.431,-48.387 82.042,-48.387 87.439,-42.989 97.98,-42.989 100.076,-40.894 WS.2@100.076,-34.417
WSTX(35): "ARM TEENSY.35" WS.1 | length 55.5
  Top Layer w0.3: v1(62.484,-46.228) 60.452,-48.26 60.452,-53.31 63.25,-56.108 63.25,-56.358
  Bottom Layer w0.3: v1(62.484,-46.228) 83.058,-46.228 87.63,-41.656 95.758,-41.656 97.536,-39.878 WS.1
pads on no net: "ARM TEENSY.0" "ARM TEENSY.1" "ARM TEENSY.3.3V" "ARM TEENSY.13" "ARM TEENSY.Vin" "NAV TEENSY.0" "NAV TEENSY.1" "NAV TEENSY.3.3V" "NAV TEENSY.13" "NAV TEENSY.21" "NAV TEENSY.Vin" "SENSOR TEENSY.0" "SENSOR TEENSY.1" "SENSOR TEENSY.3.3V" "SENSOR TEENSY.13" "SENSOR TEENSY.18" "SENSOR TEENSY.Vin" *1.1 *2.1 *4.1 *5.1 *.1

## Polygon pours and split planes (outlines as drawn)
GND on Bottom Layer "GND" (solid, pour order 4): 0.381,-0.254 136.017,-0.254 136.017,-117.983 135.89,-117.983 0.127,-117.983 0.127,-0.254
no net on Bottom Layer "NONET_L02_P000" (solid, remove dead copper, pour order 0): 0.381,-0.762

## Silkscreen, mask and mechanical layers (free items; w line width, h text height)
Top Overlay:
  text "GND" at 1.694,-11.006 h0.8
  text "19" at 12.87,-11.26 h0.8
  text "GND" at 123.106,-13.292 h0.8
  text "19" at 2.627,-13.546 h0.8
  text "31" at 121.369,-13.546 h0.8 r90
  text "10" at 12.87,-13.737 h0.8
  text "28" at 113.749,-13.813 h0.8 r90
  text "29" at 116.289,-13.813 h0.8 r90
  text "30" at 118.702,-13.813 h0.8 r90
  text "32" at 98.636,-14.181 h0.8 r90
  text "33" at 101.303,-14.181 h0.8 r90
  text "34" at 103.843,-14.181 h0.8 r90
  text "35" at 106.51,-14.181 h0.8 r90
  text "GND" at 96.096,-14.943 h0.8 r90
  text "18" at 2.627,-16.086 h0.8
  text "11" at 13.137,-16.213 h0.8
  text "GND" at 118.661,-16.95 h0.8
  text "38" at 27.77,-17.356 h0.8 r90
  text "39" at 30.437,-17.356 h0.8 r90
  text "40" at 32.977,-17.356 h0.8 r90
  text "41" at 35.517,-17.356 h0.8 r90
  text "GND" at 59.266,-17.991 h0.8 r90
  text "GND" at 38.057,-18.156 h0.8 r90
  text "GND" at 79.967,-18.245 h0.8 r90
  text "17" at 2.627,-18.626 h0.8
  text "12" at 12.87,-18.69 h0.8
  text "32" at 119.461,-19.642 h0.8
  text "DIR(2)" at 48.979,-19.857 h0.8 r90
  text "DIR(4)" at 54.186,-19.857 h0.8 r90
  text "PWM(3)" at 51.646,-19.99 h0.8 r90
  text "PWM(5)" at 56.726,-19.99 h0.8 r90
  text "DIR(6)" at 69.426,-20.111 h0.8 r90
  text "DIR(8)" at 74.76,-20.111 h0.8 r90
  text "PWM(7)" at 72.093,-20.244 h0.8 r90
  text "PWM(9)" at 77.427,-20.244 h0.8 r90
  text "16" at 2.627,-21.166 h0.8
  text "GND" at 11.937,-21.166 h0.8
  text "31" at 119.727,-22.436 h0.8
  text "30" at 119.461,-25.103 h0.8
  text "A1" at 98.7,-27.307 h0.8 r90
  text "A0" at 96.35,-27.574 h0.8 r90
  text "A12" at 101.303,-28.24 h0.8 r90
  text "A13" at 103.716,-28.24 h0.8 r90
  text "GND" at 106.383,-28.374 h0.8 r90
  text "36" at 27.643,-29.51 h0.8 r90
  text "37" at 30.437,-29.51 h0.8 r90
  text "GND" at 1.821,-30.183 h0.8
  text "GND" at 33.104,-30.31 h0.8 r90
  text "GND" at 59.393,-30.437 h0.8 r90
  text "GND" at 69.553,-30.438 h0.8 r90
  text "30" at 12.781,-30.628 h0.8
  text "5" at 3.42,-32.755 h0.8
  text "DIR(11)" at 74.76,-32.837 h0.8 r90
  text "38" at 119.842,-32.85 h0.8
  text "DIR(36)" at 48.852,-33.103 h0.8 r90
  text "DIR(22)" at 54.186,-33.103 h0.8 r90
  text "PWM(10)" at 72.093,-33.104 h0.8 r90
  text "DIR(29)" at 79.713,-33.104 h0.8 r90
  text "31" at 13.047,-33.183 h0.8
  text "PWM(28)" at 77.427,-33.231 h0.8 r90
  text "PWM(37)" at 51.519,-33.236 h0.8 r90
  text "PWM(23)" at 56.853,-33.236 h0.8 r90
  text "4" at 3.42,-35.327 h0.8
  text "39" at 119.842,-35.644 h0.8
  text "32" at 12.781,-35.739 h0.8
  text "3" at 3.42,-37.898 h0.8
  text "35" at 12.781,-38.295 h0.8
  text "GND" at 119.042,-38.311 h0.8
  text "35" at 97.874,-38.946 h0.8 r90
  text "34" at 100.795,-38.946 h0.8 r90
  text "GND" at 102.954,-39.835 h0.8 r90
  text "2" at 3.42,-40.47 h0.8
  text "GND" at 11.981,-40.851 h0.8
  text "41" at 39.264,-44.534 h0.8 r90
  text "38" at 31.517,-44.801 h0.8 r90
  text "39" at 33.93,-44.801 h0.8 r90
  text "40" at 36.47,-44.801 h0.8 r90
  text "GND" at 28.913,-45.6 h0.8 r90
  text "25" at 53.742,-45.931 h0.8 r90
  text "24" at 56.282,-45.931 h0.8 r90
  text "GND" at 118.788,-45.931 h0.8
  text "GND" at 51.138,-46.731 h0.8 r90
  text "9" at 120.387,-48.598 h0.8
  text "8" at 120.387,-51.265 h0.8
  text "GND" at 13.848,-53.17 h0.8
  text "7" at 120.387,-53.805 h0.8
  text "29" at 14.648,-55.678 h0.8
  text "6" at 120.387,-56.345 h0.8
  text "28" at 14.648,-58.187 h0.8
  text "24" at 119.804,-64.092 h0.8
  text "GND" at 47.872,-64.6 h0.8
  text "16" at 88.562,-64.727 h0.8
  text "25" at 119.804,-66.696 h0.8
  text "40" at 48.671,-67.045 h0.8
  text "17" at 88.562,-67.267 h0.8
  text "GND" at 119.004,-69.299 h0.8
  text "41" at 48.938,-69.49 h0.8
  text "GND" at 3.599,-69.553 h0.8
  text "GND" at 88.562,-69.807 h0.8
  text "16" at 15.327,-69.871 h0.8
  text "PWM(33)" at 0.8,-72.093 h0.8
  text "17" at 15.327,-72.347 h0.8
  text "DIR(34)" at 0.933,-74.76 h0.8
  text "18" at 15.327,-74.824 h0.8
  text "A6" at 119.969,-75.649 h0.8
  text "PWM(36)" at 0.8,-77.173 h0.8
  text "19" at 15.327,-77.3 h0.8
  text "A7" at 119.969,-78.316 h0.8
  text "GND" at 14.394,-79.777 h0.8
  text "DIR(37)" at 0.933,-79.967 h0.8
  text "A8" at 119.969,-80.983 h0.8
  text "24" at 88.689,-81.237 h0.8
  text "A9" at 119.969,-83.777 h0.8
  text "25" at 88.562,-83.841 h0.8
  text "GND" at 119.169,-86.19 h0.8
  text "GND" at 88.562,-86.444 h0.8
  text "10" at 4.023,-88.857 h0.8
  text "20" at 15.199,-88.857 h0.8
  text "26" at 15.199,-91.312 h0.8
  text "11" at 4.289,-91.4 h0.8
  text "DIR(9)" at 116.762,-93.683 h0.8
  text "27" at 15.199,-93.768 h0.8
  text "12" at 4.023,-93.943 h0.8
  text "GND" at 14.399,-96.223 h0.8
  text "PWM(8)" at 116.629,-96.255 h0.8
  text "GND" at 3.09,-96.486 h0.8
  text "GND" at 88.562,-96.858 h0.8
  text "DIR(14)" at 46.024,-97.366 h0.8
  text "DIR(7)" at 116.762,-98.827 h0.8
  text "PWM(27)" at 88.562,-99.525 h0.8
  text "PWM(15)" at 45.891,-99.858 h0.8
  text "PWM(6)" at 116.629,-101.398 h0.8
  text "DIR(26)" at 88.562,-102.192 h0.8
  text "20" at 49.357,-102.351 h0.8
  text "GND" at 118.628,-103.97 h0.8
  text "21" at 49.623,-104.843 h0.8
  text "PWM(12)" at 88.562,-104.859 h0.8
  text "GND" at 48.557,-107.336 h0.8
  text "DIR(33)" at 88.562,-107.526 h0.8
  text "GND" at 6.307,-114.512 h0.8 r90
  text "GND" at 8.847,-114.512 h0.8 r90
  text "GND" at 120.099,-115.807 h0.8 r90
  text "GND" at 122.617,-115.807 h0.8 r90
  text "DIR(15)" at 19.388,-117.045 h0.8 r90
  text "DIR(23)" at 13.927,-117.178 h0.8 r90
  text "PWM(14)" at 16.594,-117.178 h0.8 r90
  text "PWM(22)" at 11.387,-117.311 h0.8 r90
  text "DIR(3)" at 127.9,-117.673 h0.8 r90
  text "DIR(5)" at 133.183,-117.673 h0.8 r90
  text "PWM(2)" at 125.258,-117.807 h0.8 r90
  text "PWM(4)" at 130.542,-117.807 h0.8 r90